# Altium PCB PCB_Kasli.PCBDOC (part 13 of 14)
Units mm, origin at the board's own origin, x right, y up, seen from the top; angles counter-clockwise.
Board outline 162.29 x 100 mm, 6 copper layers (TopLayer, MidLayer1, MidLayer2, SignalLayer1, Internal Plane 1, BottomLayer), stack 1.528 mm thick; 646 components, 567 nets, 2756 pads, 1560 vias.
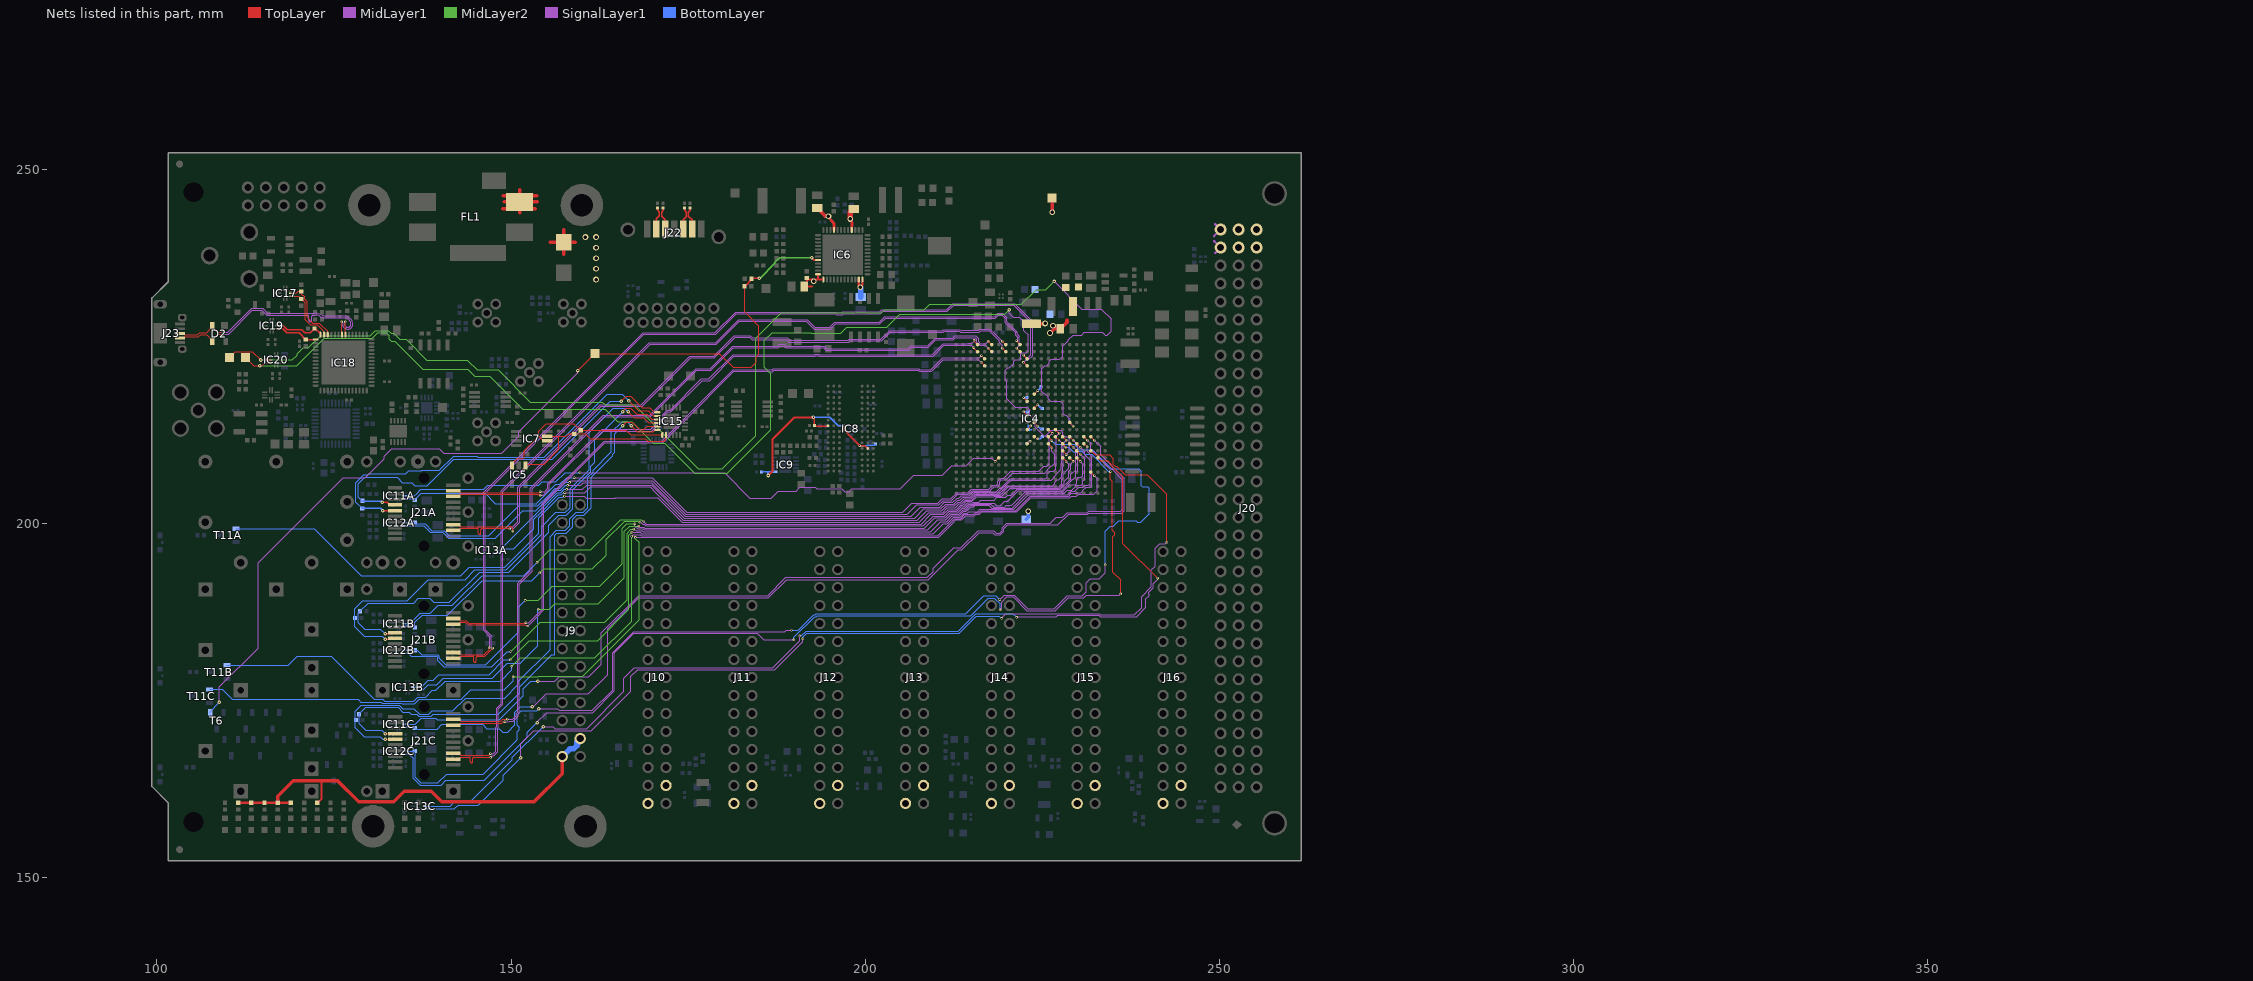
[diagram p17: the nets of this part, all layers, seen from the top]

## Via types
v1: diameter 0.5, hole 0.2, TopLayer to BottomLayer, tented both sides, 724 vias
v2: diameter 0.35, hole 0.15, TopLayer to BottomLayer, tented both sides, 628 vias
v3: diameter 0.8, hole 0.5, TopLayer to BottomLayer, tented both sides, 122 vias
v4: diameter 0.8, hole 0.5, TopLayer to BottomLayer, 66 vias
v5: diameter 0.5, hole 0.2, TopLayer to BottomLayer, 20 vias

## Nets (pads, with @x,y where several pads share a name; then routed paths per layer and width w, separated by ;. In a path a pad name is that pad's centre, name@x,y a point inside that pad or via, vN(x,y) a via of type N, cw(c..) or ccw(c..) an arc to the next point about the centre after c; other vN are vias at no path point) (continued)
P12V0: C130.2 C131.2 C132.2 C133.2 D1.1 FL1.2 IC6.4 IC6.9 IC6.24 IC6.25 IC6.35 IC6.36 J9.28 J9.29 J10.28 J10.29 J11.28 J11.29 J12.28 J12.29 J13.28 J13.29 J14.28 J14.29 J15.28 J15.29 J16.28 J16.29 J20.a1 J20.a2 J20.b1 J20.b2 J20.c1 J20.c2 R73.2 R74.2 R86.2 R88.2 R89.2 R90.2 R91.2 TP6.1 | length 111.1
  TopLayer w0.254: C130.2@191.4,233.5 192.5,233.5 ; 191.75,234.25 191.77,234.27 R73.2@191.77,234.734 192.006,234.498 193.35,234.498 ; IC6.24@193.35,235.248 193.35,234.498 ; IC6.25@194.1,234.498 193.35,234.498
  TopLayer w0.3: R89.2@111.464,160.617 R91.2@113.326,160.617 R90.2@115.189,160.617 R74.2@117.052,160.617 R88.2@118.914,160.617 ; R86.2@122.64,160.617 122.698,160.617 123.25,161.169 123.25,163.75 ; IC6.35@199.1,234.498 199.1,233.64 v3(199.314,233.426) 199.6,233.712 IC6.36@199.6,234.498
  TopLayer w0.4: v3(194.813,243.454) 194.813,243.261 195.55,242.524 195.55,242.45 195.6,242.4 IC6.9@195.6,241.498 ; IC6.4@198.1,241.498 198.1,242.062 198.125,242.087 198.125,242.521 198.1,242.546 v3@198.1,242.931 ; v3(199.314,233.426) v3@199.314,233.534
  TopLayer w0.5: R74.2@117.052,160.617 117.052,161.552 119.25,163.75 123.25,163.75 125.5,163.75 128.5,160.75 133.45,160.75 134.936,162.236 138.714,162.236 140.2,160.75 153.25,160.75 157.226,164.726 J9.29@157.226,167.132 ; 148.825,244.525 150.284,244.525 FL1.2@151.214,245.455 ; 148.925,246.3 150.369,246.3 FL1.2@151.214,245.455 ; 149.03,245.455 FL1.2@151.214,245.455 ; 151.214,243.961 FL1.2@151.214,245.455 ; 151.214,247.139 FL1.2@151.214,245.455 ; 153.4,244.525 152.144,244.525 FL1.2@151.214,245.455 ; 153.625,246.3 152.059,246.3 FL1.2@151.214,245.455 ; 153.72,245.455 FL1.2@151.214,245.455 ; 155.535,239.765 D1.1@157.448,239.765 ; 157.448,238.052 D1.1@157.448,239.765 ; 157.448,241.548 D1.1@157.448,239.765 ; 159.065,239.765 D1.1@157.448,239.765 ; C133.2@193.25,244.6 194.396,243.454 v3(194.813,243.454) ; v3(226.4,244) TP6.1@226.4,245.8
  TopLayer w0.8: v3(197.9,243.05) 197.9,243.99 C132.2@198.12,244.21
  MidLayer1 w0.3: 249.236,240.6 J20.c1@250.19,241.554 249.403,242.341 ; 249.3,239.904 J20.c2@250.19,239.014 249.403,238.227
  BottomLayer w0.8: J9.29@157.226,167.132 158.319,168.225 158.831,168.225 159.3,168.694 159.3,169.206 J9.28@159.766,169.672 ; C131.2@199.39,232.04 v3@199.39,233.35
  other v3: 192.75,234.25 162,234.5 162,236 162,237.5 162,239 160.5,240.5 162,240.5
RESETN: IC6.20 R51.1 R53.1 T6.1 TP5.1 | length 132.9
  TopLayer w0.125: v1(159.425,221.65) TP5.1@161.825,224.05 179.425,224.05 181.375,222.1 183.9,222.1 184.65,222.85 184.65,223.6 185,223.95 185,227.9 182.98,229.92 R53.1@182.98,233.525
  TopLayer w0.2: R53.1@183.045,233.578 R51.1@183.998,234.531 ; R51.1@184.036,234.696 v1(185.039,234.696) ; v1(192.481,237.592) 192.825,237.248 IC6.20@193.35,237.248
  TopLayer w0.3: R51.1@183.998,234.531 184.036,234.569 R51.1@184.036,234.696
  MidLayer2 w0.2: v1(185.039,234.696) 185.153,234.696 187.25,236.793 187.25,236.907 187.935,237.592 v1(192.481,237.592)
  SignalLayer1 w0.125: v1(108.825,174.8) 108.825,176.975 114.3,182.45 114.3,194.517 126.283,206.5 129.391,206.5 132.088,209.196 132.088,209.53 133.183,210.626 139.854,210.626 140.504,209.975 148.675,209.975 151.1,212.4 151.1,213 159.425,221.325 v1(159.425,221.65)
  BottomLayer w0.125: T6.1@107.508,173.362 107.508,173.483 v1(108.825,174.8)
RxD_2V5: IC4.T16 IC20.5 TP16.1 | length 171.3
  TopLayer w0.125: IC4.T16@227.872,210.315 228.371,209.816 v2(228.371,209.779)
  TopLayer w0.15: TP16.1@112.5,223.5 113.675,222.325 v1(114.525,222.325) 114.85,222.325 115.05,222.525 115.264,222.739 IC20.5@115.94,222.739
  MidLayer2 w0.1: v1(114.525,222.325) 119.743,222.325 123.618,226.2 130.393,226.2 131.184,226.991 132.359,226.991 132.778,226.572 132.778,226.085 133.063,225.8 133.55,225.8 137.5,221.85 143.861,221.85 144.9,220.811 146.989,220.811 151.625,216.175 163.325,216.175 165.075,214.425 167.025,214.425 170.05,211.4 171.7,211.4 175.964,207.136 180.525,207.136 186.683,213.294 186.683,221.208 185.775,222.116 185.775,225.9 186.85,226.975 192.35,226.975 192.4,226.925 196.55,226.925 197.375,227.75 203.05,227.75 204.9,229.6 219.725,229.6 v1(220.375,230.25)
  SignalLayer1 w0.1: v1(220.375,230.25) 220.375,229.75 220.925,229.2 221.75,229.2 222.425,228.525 222.425,227.3 223.025,226.7 223.025,224.475 222.74,224.19 222.217,224.19 221.975,223.948 221.975,223.325 221.811,223.161 221.18,223.161 220.961,222.941 220.961,222.636 220.375,222.05 220.105,222.05 219.75,221.695 219.75,220.35 219.997,220.103 219.997,217.66 220.217,217.44 220.226,217.44 221.226,216.44 222.885,216.44 223.275,216.05 223.275,215.375 224,214.65 224,213.973 223.997,213.97 223.997,213.66 225.217,212.44 225.527,212.44 225.747,212.66 225.747,212.672 226.277,213.202 227.587,213.202 227.925,212.864 227.925,212.575 228.225,212.275 228.575,212.275 228.85,212 228.85,210.257 v2(228.371,209.779)
SATA_RX_N: C199.1 J22.5 | length 3.3
  TopLayer w0.2: C199.1@171.476,244.583 171.476,244.258 171.245,244.026 171.245,243.469 171.784,242.931 J22.5@171.784,241.631
SATA_RX_P: C198.1 J22.6 | length 3.2
  TopLayer w0.2: J22.6@170.514,241.631 170.514,243.081 170.92,243.487 170.92,244.026 170.689,244.258 C198.1@170.689,244.583
SATA_TX_N: C201.1 J22.2 | length 3.3
  TopLayer w0.2: C201.1@175.286,244.583 175.286,244.258 175.055,244.026 175.055,243.469 175.594,242.931 J22.2@175.594,241.631
SATA_TX_P: C200.1 J22.3 | length 3.2
  TopLayer w0.2: J22.3@174.324,241.631 174.324,242.931 174.409,243.016 174.73,243.337 174.73,244.026 174.499,244.258 C200.1@174.499,244.583
SFP_0.LED: IC4.U16 T11A.1 | length 133.5
  TopLayer w0.125: IC4.U16@227.872,209.315 228.371,208.816 v2(228.371,208.763)
  SignalLayer1 w0.08: 213.8,203 214.15,203.35 215.025,203.35 215.71,204.035 215.726,204.035 ; 215.726,204.051 219.051,204.051 220.215,205.215 227.315,205.215
  SignalLayer1 w0.1: v2(157.525,203.9) 160.35,203.9 160.615,203.635 164.68,203.635 164.745,203.7 170.713,203.7 174.163,200.25 207.607,200.25 208.957,201.6 210.925,201.6 211.6,202.275 212.725,202.275 213.3,202.85 213.65,202.85 213.8,203 ; 227.315,205.215 227.763,205.662 227.763,206.288 227.997,206.522 227.997,206.97 228.231,207.205 228.231,207.325 228.747,207.841 228.747,208.387 v2(228.371,208.763)
  BottomLayer w0.125: T11A.1@111.132,199.324 122.226,199.324 128.85,192.7 142.9,192.7 144.1,193.9 149.1,193.9 153.881,198.681 153.881,200.85 156.786,203.755 157.33,203.755 157.475,203.9 v2(157.525,203.9)
SFP_0.LOS: IC4.N15 IC12A.5 | length 107
  TopLayer w0.125: IC4.N15@226.872,213.315 227.36,212.827 v2(227.432,212.827)
  SignalLayer1 w0.08: 214.675,203.95 215.245,204.52 218.512,204.52 219.03,205.038 219.112,205.038 220.458,206.385 220.472,206.385
  SignalLayer1 w0.1: 169.943,205.683 174.576,201.05 206.475,201.05 207.8,202.375 210.55,202.375 211.2,203.025 212.35,203.025 212.975,203.65 213.25,203.65 213.55,203.95 214.675,203.95 ; 220.472,206.385 225.516,206.385 225.736,206.605 225.736,207.111 226.073,207.448 226.648,207.448 226.936,207.736 226.936,208.454 226.997,208.515 226.997,212.392 v2(227.432,212.827)
  SignalLayer1 w0.125: v2(157.983,205.435) 159.86,205.435 160.2,205.775 169.851,205.775 169.943,205.683
  BottomLayer w0.125: IC12A.5@135.013,199.748 137.652,199.748 138.6,198.8 140.389,198.8 141.214,197.975 147.775,197.975 151.625,201.825 153.478,201.825 156.382,204.73 157.03,204.73 157.262,204.962 157.262,204.986 157.712,205.435 v2(157.983,205.435)
SFP_0.MOD_PRESENT: IC4.P16 IC13A.5 | length 95.1
  TopLayer w0.125: IC4.P16@227.872,212.315 v2(228.372,211.815)
  SignalLayer1 w0.08: 214.925,203.55 215.565,204.19 215.583,204.19 ; 215.583,204.208 218.883,204.208 220.065,205.39
  SignalLayer1 w0.1: 170.375,204.474 174.349,200.5 207.325,200.5 208.675,201.85 210.825,201.85 211.5,202.525 212.6,202.525 213.15,203.075 213.492,203.075 213.967,203.55 214.925,203.55 ; 220.065,205.39 226.478,205.39 226.747,205.66 226.747,205.872 227.125,206.25 227.337,206.25 227.747,206.66 227.747,207.147 227.911,207.311 227.911,208.065 228,208.154 228,208.604 227.971,208.633 227.971,211.414 v2(228.372,211.815)
  SignalLayer1 w0.125: v2(157.575,204.4) 160.4,204.4 161.222,205.222 169.626,205.222 170.375,204.474
  BottomLayer w0.125: IC13A.5@148.1,195.9 148.7,195.9 149.281,196.481 150.381,196.481 153.2,199.3 153.2,200.654 153.721,201.175 153.747,201.175 156.651,204.08 157.107,204.08 157.427,204.4 v2(157.575,204.4)
SFP_0.RATE_SELECT: IC4.R14 IC12A.4 R144A.2 | length 104.2
  TopLayer w0.125: IC4.R14@225.872,211.315 226.365,210.822 v2(226.365,210.744)
  SignalLayer1 w0.08: 214.575,204.175 215.1,204.7 217.645,204.7
  SignalLayer1 w0.09: 217.645,204.7 217.82,204.875 217.827,204.875 218.207,205.255 218.705,205.255 218.875,205.425
  SignalLayer1 w0.1: v2(158.275,205.85) 158.525,206.1 169.951,206.1 174.701,201.35 205.975,201.35 207.3,202.675 210.425,202.675 211.025,203.275 212.175,203.275 213.075,204.175 214.575,204.175 ; 218.875,205.425 218.975,205.525 218.975,205.948 219.227,206.2 219.9,206.2 220.86,207.16 223.14,207.16 223.187,207.207 223.498,207.207 223.545,207.16 225.341,207.16 225.786,207.605 225.786,207.724 226.26,208.198 226.432,208.198 226.791,208.556 226.791,209.832 226.365,210.258 v2(226.365,210.744)
  BottomLayer w0.1: 157.725,205.85 v2(158.275,205.85)
  BottomLayer w0.125: R144A.2@136.398,200.19 136.588,200 137.85,200 138.8,199.05 140.55,199.05 140.55,199.041 141.241,198.35 146.874,198.35 151.074,202.55 153.8,202.55 155.363,204.113 156.25,205 156.875,205 157.725,205.85
  BottomLayer w0.2: IC12A.4@135.013,200.148 R144A.2@136.356,200.148
SFP_0.RATE_SELECT1: IC4.P15 IC13A.4 | length 93.2
  TopLayer w0.125: IC4.P15@226.872,212.315 v2(227.372,211.815)
  SignalLayer1 w0.08: 214.825,203.75 215.42,204.345 215.439,204.345 ; 215.439,204.364 218.699,204.364 220.525,206.19
  SignalLayer1 w0.1: v2(157.833,204.86) 160.085,204.86 160.658,205.433 169.84,205.433 174.473,200.8 206.975,200.8 208.275,202.1 210.7,202.1 211.375,202.775 212.5,202.775 213.075,203.35 213.375,203.35 213.775,203.75 214.825,203.75 ; 220.525,206.19 226.277,206.19 226.997,206.91 226.997,206.991 227.686,207.68 227.686,208.538 227.756,208.607 227.756,211.431 v2(227.372,211.815)
  BottomLayer w0.125: IC13A.4@148.1,196.3 148.4,196.3 153.6,201.5 ; 153.612,201.5 156.517,204.405 157.032,204.405 157.487,204.86 v2(157.833,204.86)
SFP_0.SCL: IC15.2 J21A.5 R184.1 | length 57.9
  TopLayer w0.125: v1(166.6,217.35) 168,215.95 169.375,215.95 170.074,215.251 IC15.2@170.656,215.251
  TopLayer w0.2: v1(131.902,201.873) J21A.5@133.634,201.873
  BottomLayer w0.125: R184.1@129.014,202.184 128.966,202.184 128.102,203.048 128.102,205.809 129.193,206.9 129.8,206.9 130,207.1 135.15,207.1 135.575,207.525 137.363,207.525 137.387,207.55 139.875,207.55 141.9,209.575 145.125,209.575 145.3,209.4 154.7,209.4 163.575,218.275 165.675,218.275 v1(166.6,217.35)
  BottomLayer w0.2: R184.1@129,202.17 129.014,202.184 131.591,202.184 v1(131.902,201.873)
SFP_0.SDA: IC15.1 J21A.4 R183.1 | length 57.1
  TopLayer w0.125: v1(165.55,217.3) 166.275,218.025 166.875,218.025 168.525,216.375 169.6,216.375 170.224,215.751 IC15.1@170.656,215.751
  TopLayer w0.2: v1(131.825,203.05) 132.5,203.05 132.877,202.673 J21A.4@133.634,202.673 J21A.4@133.781,202.525
  BottomLayer w0.125: R183.1@129.08,203.2 129,203.2 128.425,203.775 128.425,205.65 129.325,206.55 133.9,206.55 134.625,205.825 135.975,205.825 136.425,205.375 138.15,205.375 141.875,209.1 155.825,209.1 164.025,217.3 v1(165.55,217.3)
  BottomLayer w0.2: R183.1@129.025,203.255 129.08,203.2 131.675,203.2 v1(131.825,203.05)
SFP_0.TX_DISABLE: IC4.N14 IC11A.5 R145A.2 | length 103.7
  TopLayer w0.125: IC4.N14@225.872,213.315 226.411,212.776 v2(226.411,212.76) v2@226.4,212.771
  SignalLayer1 w0.08: 214.512,204.425 214.912,204.825
  SignalLayer1 w0.09: 217.95,205.425 217.965,205.44 218.514,205.44 218.732,205.658 218.739,205.658
  SignalLayer1 w0.1: 162.083,206.525 169.95,206.525 174.825,201.65 194.872,201.65 194.917,201.606 195.227,201.606 195.272,201.65 205.325,201.65 206.589,202.914 207.146,202.914 207.159,202.901 210.251,202.901 210.264,202.914 210.875,203.525 212.075,203.525 212.975,204.425 214.512,204.425 ; 214.912,204.825 214.987,204.9 217.425,204.9 217.95,205.425 ; 218.739,205.658 218.739,206.014 219.157,206.432 219.561,206.432 220.551,207.422 224.478,207.422 225.19,208.135 225.66,208.135 226.025,208.5 226.025,209.537 225.99,209.572 225.99,209.883 226.025,209.918 226.025,210.553 225.99,210.588 225.99,210.899 226.025,210.934 226.025,211.569 225.99,211.604 225.99,211.915 226.025,211.95 226.025,212.374 v2(226.411,212.76)
  SignalLayer1 w0.125: v2(158.925,206.525) 162.083,206.525
  BottomLayer w0.125: R145A.2@136.398,203.378 137.32,204.3 146.325,204.3 147.763,202.863 153.613,202.863 153.7,202.95 156.325,205.575 156.9,205.575 157.85,206.525 v2(158.925,206.525)
  BottomLayer w0.2: IC11A.5@135.013,203.558 R145A.2@136.218,203.558
SFP_0.TX_FAULT: IC4.U7 IC11A.4 | length 90
  TopLayer w0.125: v2(218.372,208.815) IC4.U7@218.872,209.315
  SignalLayer1 w0.1: 162.917,207.225 180.15,207.225 183.725,203.65 186.769,203.65 187.719,204.6 190.239,204.6 190.789,205.15 192.961,205.15 193.155,204.956 196.694,204.956 197.1,204.55 197.725,204.55 198.131,204.956 204.956,204.956 206.883,206.883 210.91,206.883 212.217,208.19 214.296,208.19 214.984,208.879 214.984,208.975 215.305,209.296 217.891,209.296 v2(218.372,208.815)
  SignalLayer1 w0.125: v2(159.725,207.25) 159.75,207.225 162.917,207.225
  BottomLayer w0.125: IC11A.4@135.013,203.958 136.358,203.958 136.675,204.275 137.281,204.881 146.167,204.881 146.734,205.448 153.927,205.448 154.429,205.95 156.325,205.95 157.625,207.25 v2(159.725,207.25)
SFP_1.LED: IC4.R19 T11B.1 | length 151.8
  TopLayer w0.095: IC4.R19@230.872,211.315 231.327,210.86 v2(231.336,210.86)
  MidLayer2 w0.1: v2(150.125,179.875) 151.325,181.075 161.825,181.075 167.025,186.275 v2(167.025,198.25)
  SignalLayer1 w0.08: 215.339,201.325 215.59,201.576 216.051,201.576 216.35,201.875 221.275,201.875 222.575,203.175
  SignalLayer1 w0.095: 222.575,203.175 223.3,203.9 228.723,203.9 229.123,204.3 229.85,204.3 229.952,204.402 230.532,204.402 230.751,204.621 230.751,204.72 231.218,205.187 231.812,205.187 232,205.375 232,209.575 231.336,210.239 v2(231.336,210.86)
  SignalLayer1 w0.1: v2(167.025,198.25) 167.25,198.475 168.23,198.475 168.366,198.34 182.747,198.34 182.762,198.325 210.225,198.325 212.633,200.733 213.483,200.733 214.075,201.325 215.325,201.325
  BottomLayer w0.125: T11B.1@109.862,180.02 118.52,180.02 119.775,181.275 124.625,181.275 130.7,175.2 131.9,175.2 132.151,174.949 136.249,174.949 136.849,175.549 137.953,175.549 138.904,176.5 139.4,176.5 140.7,177.8 148.525,177.8 150.125,179.4 v2(150.125,179.875)
SFP_1.LOS: IC4.T18 IC12B.5 | length 118.9
  TopLayer w0.125: IC4.T18@229.872,210.315 230.337,209.85 v2(230.375,209.85)
  MidLayer2 w0.1: v2(149.95,181.975) 154.1,186.125 163.25,186.125 166.375,189.25 166.375,198.7 166.935,199.26 v2(167.308,199.26)
  SignalLayer1 w0.08: 214.925,202.4 215.316,202.4 215.528,202.612 217.463,202.612 217.865,202.21 220.735,202.21 222.85,204.325 228.125,204.325
  SignalLayer1 w0.1: v2(167.308,199.26) 167.4,199.26 167.659,199 168.55,199 168.681,198.869 209.244,198.869 210.675,200.3 211.5,200.3 212.325,201.125 213.29,201.125 213.94,201.775 214.3,201.775 214.925,202.4 ; 228.125,204.325 228.551,204.751 229.148,204.751 229.149,204.75 229.2,204.75 229.866,205.416 230.533,205.416 230.753,205.635 230.753,206.053 230.997,206.297 230.997,209.228 v2(230.375,209.85)
  BottomLayer w0.1: IC12B.5@135.012,181.718 135.462,181.718 135.88,181.3 139.5,181.3 139.65,181.15 139.65,180.7 140.525,179.825 147.3,179.825 149.45,181.975 v2(149.95,181.975)
SFP_1.MOD_PRESENT: IC4.P17 IC13B.5 | length 119.6
  TopLayer w0.125: IC4.P17@228.872,212.315 v2(229.372,211.815)
  MidLayer2 w0.1: v2(153.825,187.95) 153.85,187.925 155.375,187.925 156.175,188.725 162.325,188.725 166,192.4 166,198.925 166.75,199.675 167.295,199.675 167.32,199.65 168.025,199.65 v2(168.05,199.675)
  SignalLayer1 w0.08: 214.625,202.775 214.754,202.775 214.755,202.776 215.25,202.776 215.399,202.924 218.237,202.924 218.616,202.545 219.105,202.545 219.735,203.175 220.15,203.175 221.65,204.675
  SignalLayer1 w0.1: v2(168.05,199.675) 168.175,199.55 168.725,199.55 168.877,199.398 208.35,199.398 209.802,200.85 211.3,200.85 212,201.55 213.075,201.55 213.725,202.2 214.05,202.2 214.625,202.775 ; 221.65,204.675 221.651,204.676 227.744,204.676 229.331,206.263 229.388,206.263 229.75,206.625 229.75,207.278 229.997,207.525 229.997,211.19 v2(229.372,211.815)
  BottomLayer w0.125: IC13B.5@136.3,176.5 137.5,176.5 138.3,177.3 139.5,177.3 140.4,178.2 147.35,178.2 149.45,180.3 151.3,180.3 153.797,182.797 v2@153.797,187.922
SFP_1.RATE_SELECT: IC4.U18 IC12B.4 R144B.2 | length 117.2
  TopLayer w0.125: IC4.U18@229.872,209.315 v2(230.372,208.815)
  MidLayer2 w0.1: v2(152,189.2) 153.825,189.2 155.825,191.2 162.525,191.2 165.725,194.4 165.725,199.4 166.35,200.025 v2(167.475,200.025)
  SignalLayer1 w0.08: 214.725,202.525 214.82,202.62 215.315,202.62 215.463,202.768 217.757,202.768 218.15,202.375 219.725,202.375 219.95,202.6 220.675,202.6 222.575,204.5
  SignalLayer1 w0.1: v2(167.475,200.025) 167.475,199.675 167.875,199.275 168.675,199.275 168.817,199.133 208.808,199.133 210.25,200.575 211.4,200.575 212.15,201.325 213.2,201.325 213.85,201.975 214.175,201.975 214.725,202.525 ; 222.575,204.5 227.891,204.5 228.904,205.513 229.642,205.513 229.861,205.732 229.861,206.311 230.1,206.55 230.525,206.55 230.753,206.778 230.753,208.434 v2(230.372,208.815)
  BottomLayer w0.1: R144B.2@136.398,182.156 136.758,182.156 137.389,181.525 139.65,181.525 139.85,181.325 139.85,181.025 140.75,180.125 146.4,180.125 151,184.725 151,188.2 v2(152,189.2)
  BottomLayer w0.2: IC12B.4@135.012,182.118 R144B.2@136.36,182.118
SFP_1.RATE_SELECT1: IC4.R18 IC13B.4 | length 120.1
  TopLayer w0.125: IC4.R18@229.872,211.315 v2(230.372,210.815)
  MidLayer2 w0.1: v2(149.9,180.8) 152.6,183.5 162.225,183.5 166.65,187.925 166.65,198.405 167.051,198.806 v2(167.051,198.81)
  SignalLayer1 w0.08: 214.425,201.525 214.632,201.732 215.892,201.732 216.21,202.05 220.972,202.05 223.047,204.125
  SignalLayer1 w0.1: v2(167.051,198.81) 168.265,198.81 168.471,198.604 209.65,198.604 211.046,200 211.575,200 212.5,200.925 213.4,200.925 214,201.525 214.425,201.525 ; 223.047,204.125 228.625,204.125 229.074,204.574 229.574,204.574 230.162,205.162 230.712,205.162 230.977,205.427 231.533,205.427 231.76,205.654 231.76,208.975 231,209.735 231,210.187 v2(230.372,210.815)
  BottomLayer w0.125: IC13B.4@136.3,176.9 137.3,176.9 138.3,177.9 139,177.9 139.8,178.7 146.9,178.7 149,180.8 v2(149.9,180.8)
SFP_1.SCL: IC15.4 J21B.5 R186.1 | length 69.7
  TopLayer w0.125: v1(166.55,215.825) 167.387,214.987 168.737,214.987 169.474,214.251 IC15.4@170.656,214.251
  TopLayer w0.2: v1(132.25,183.725) 133.522,183.725 J21B.5@133.629,183.833
  BottomLayer w0.125: v1(132.25,183.725) 131.825,184.15 129.3,184.15 127.955,185.495 R186.1@127.955,186.7 127.955,188.03 129.075,189.15 135.347,189.15 138.297,192.1 143.5,192.1 144.9,193.5 149.3,193.5 154.3,198.5 154.3,199.6 156.325,201.625 157.675,201.625 158.329,202.279 158.329,204.959 161.01,207.64 161.01,212.91 164.4,216.3 165.979,216.3 166.55,215.729 v1(166.55,215.825)
SFP_1.SDA: IC15.3 J21B.4 R185.1 | length 67.1
  TopLayer w0.125: v1(165.75,215.825) 166.225,216.3 166.925,216.3 167.775,215.45 169.175,215.45 169.874,214.751 IC15.3@170.656,214.751
  TopLayer w0.2: v1(132.231,184.453) 133.45,184.453 J21B.4@133.629,184.633
  BottomLayer w0.125: v1(132.231,184.453) 131.548,185.137 129.333,185.137 128.45,186.02 128.45,187.44 R185.1@128.655,187.645 129.81,188.8 136.245,188.8 136.928,189.483 138.164,189.483 138.168,189.479 138.5,189.479 139.079,188.9 141.3,188.9 145.6,193.2 149.7,193.2 155.3,198.8 155.3,199.8 156.715,201.215 157.795,201.215 158.704,202.123 158.704,204.804 161.275,207.375 161.275,208.125 161.825,208.675 161.825,211.9 v1(165.75,215.825)
SFP_1.TX_DISABLE: IC4.R17 IC11B.5 R145B.2 | length 110.6
  TopLayer w0.125: IC4.R17@228.872,211.315 v2(229.372,210.815)
  MidLayer2 w0.1: v2(154.025,193.075) 154.6,193.65 161.5,193.65 163.425,195.575 163.425,197.8 166.025,200.4 168.025,200.4 v2(168.2,200.225)
  SignalLayer1 w0.08: 215.175,202.975 215.285,203.085 216.051,203.085 216.291,203.325 218.216,203.325 218.616,203.725 219.825,203.725 220.15,204.05 220.625,204.05 221.424,204.85
  SignalLayer1 w0.1: v2(168.2,200.225) 168.32,200.225 168.61,199.935 168.79,199.935 169.025,199.7 208.18,199.7 209.58,201.1 211.2,201.1 211.875,201.775 212.95,201.775 213.6,202.425 213.925,202.425 214.475,202.975 215.175,202.975 ; 221.424,204.85 221.427,204.852 227.575,204.852 228.997,206.275 228.997,206.97 229.217,207.19 229.34,207.19 229.75,207.6 229.75,210.437 v2(229.372,210.815)
  BottomLayer w0.125: R145B.2@136.398,185.382 136.398,186.073 137.45,187.125 141.025,187.125 145.9,192 152.95,192 v2(154.025,193.075)
  BottomLayer w0.2: IC11B.5@135.012,185.528 R145B.2@136.252,185.528
SFP_1.TX_FAULT: IC4.U17 IC11B.4 | length 106.1
  TopLayer w0.125: IC4.U17@228.872,209.315 v2(229.372,208.815)
  MidLayer2 w0.1: v2(153.675,194.55) 155.45,196.325 161.225,196.325 165.5,200.6 168.355,200.6 168.58,200.375 v2(168.7,200.375)
  SignalLayer1 w0.08: 215.075,203.175 215.725,203.825 218.2,203.825 218.27,203.895 219.32,203.895 220.465,205.04 227.415,205.04
  SignalLayer1 w0.1: v2(168.7,200.375) 169.1,199.975 207.925,199.975 209.275,201.325 211,201.325 211.7,202.025 212.85,202.025 213.475,202.65 213.775,202.65 214.3,203.175 215.075,203.175 ; 227.415,205.04 228.125,205.75 228.125,206 228.747,206.622 228.747,207.425 228.997,207.675 228.997,208.44 v2(229.372,208.815)
  BottomLayer w0.125: IC11B.4@135.012,185.928 135.728,185.928 137.195,187.395 138.595,187.395 139.7,188.5 141.7,188.5 142.438,189.238 145.9,192.7 151.825,192.7 v2(153.675,194.55)
SFP_2.LED: IC4.W20 T11C.1 | length 149.6
  TopLayer w0.095: IC4.W20@231.872,207.315 v2(232.372,206.815)
  MidLayer2 w0.1: v2(150.3,178.4) 153.85,178.4 153.925,178.475 160.125,178.475 168.1,186.45 168.1,197.375 167.55,197.925 v2(167.55,198.1)
  SignalLayer1 w0.08: 212.525,200.214 212.61,200.299 212.61,200.351 212.824,200.565 213.64,200.565 214.2,201.125 215.4,201.125 215.6,201.325 216.075,201.325 216.469,201.719 221.394,201.719 222.925,203.25
  SignalLayer1 w0.1: v2(167.55,198.1) 210.411,198.1 212.525,200.214 ; 222.925,203.25 223.375,203.7 228.9,203.7 229.1,203.9 229.821,203.9 230.131,204.21 232.297,204.21 232.75,204.663 232.75,206.437 v2(232.372,206.815)
  BottomLayer w0.125: T11C.1@107.425,176.625 109.25,176.625 110.65,175.225 128.4,175.225 128.8,174.825 131.7,174.825 131.825,174.7 134.525,174.7 134.65,174.575 136.375,174.575 137.041,175.241 142.949,175.241 143.103,175.395 143.103,175.403 144.3,176.6 149.05,176.6 150.3,177.85 v2(150.3,178.4)
SFP_2.LOS: IC4.R16 IC12C.5 | length 151.1
  TopLayer w0.1: v2(234.636,207.385) 234.636,206.749 234.576,206.688 234.576,206.316 234.875,206.017 234.875,199.105 235.225,198.755 235.225,198.445 234.975,198.195 234.975,193.2 236.075,192.1 v2(236.075,190.1)
  TopLayer w0.125: IC4.R16@227.872,211.315 228.342,210.845 v2(228.346,210.845)
  SignalLayer1 w0.1: v1(153.7,171.9) 153.7,172.025 155.025,173.35 161.529,173.35 164.6,176.421 164.6,181.775 167.35,184.525 184.775,184.525 185.675,183.625 v2(189.95,183.625) ; v2(219.05,187.85) 219.263,188.063 219.263,188.924 220.015,189.675 220.921,189.675 222.846,187.75 226.825,187.75 228.65,189.575 230.897,189.575 231.23,189.908 235.883,189.908 v2(236.075,190.1)
  BottomLayer w0.1: v1(153.7,171.9) v1@153.7,172 ; v2(189.95,183.625) 189.95,184 192.85,186.9 193.071,186.9 193.221,187.05 214.92,187.05 217.388,189.518 218.258,189.518 219.05,188.726 v2(219.05,187.85) ; v2(228.346,210.845) 228.755,210.845 229.41,210.19 229.527,210.19 229.592,210.125 230.12,210.125 230.22,210.225 230.6,210.225 231.025,209.8 231.975,209.8 234.39,207.385 v2(234.636,207.385)
  BottomLayer w0.125: IC12C.5@135.012,167.494 135.581,167.494 136.163,166.912 136.163,164.096 137.054,163.204 137.146,163.113 138.45,163.113 140.113,163.113 140.8,163.8 146.225,163.8 152.299,169.874 152.299,170.599 v1@153.7,172
SFP_2.MOD_PRESENT: IC4.T20 IC13C.5 | length 148.1
  TopLayer w0.1: IC4.T20@231.872,210.315 232.462,209.725 234.548,209.725 235.049,209.224 235.049,208.375 235.299,208.125 235.525,208.125 236.725,206.925 239.85,206.925 242.6,204.175 v2(242.6,197.4)
  SignalLayer1 w0.1: v1(151.35,166.95) 151.35,168.925 153.2,170.775 161.3,170.775 166.917,176.392 166.917,178.45 167.875,179.408 187.258,179.408 191.2,183.35 v2(191.2,183.775) ; v2(219.286,186.659) 219.286,186.736 219.859,187.309 233.041,187.309 233.175,187.175 238.025,187.175 239.025,188.175 239.025,189.725 240.425,191.125 240.425,193.5 240.962,194.037 240.962,196.544 241.606,197.188 242.388,197.188 v2(242.6,197.4)
  BottomLayer w0.1: v2(191.2,183.775) 191.2,183.975 191.775,184.55 213.264,184.55 215.696,186.982 218.963,186.982 v2(219.286,186.659)
  BottomLayer w0.125: IC13C.5@137.986,159.74 142,159.74 142.56,160.3 145.4,160.3 148.9,163.8 148.9,164.5 v1(151.35,166.95)
SFP_2.RATE_SELECT: IC4.P14 IC12C.4 R144C.2 | length 159
  TopLayer w0.125: IC4.P14@225.872,212.315 226.365,211.822 v2(226.365,211.76)
  SignalLayer1 w0.1: v1(153.9,173.9) 156.523,173.9 156.77,173.652 161.373,173.652 161.425,173.6 164.35,176.525 164.35,181.775 167.35,184.775 188.65,184.775 188.85,184.975 v2(189.6,184.975) ; v2(219.011,189.309) 219.018,189.309 219.617,189.908 221.042,189.908 222.95,188 226.721,188 228.546,189.825 230.625,189.825 231.225,190.425 231.225,191.675 231.8,192.25 233.05,192.25 233.9,193.1 v2(233.9,194.2)
  BottomLayer w0.1: v2(189.6,184.975) 190.571,184.975 192.746,187.15 192.968,187.15 193.118,187.3 214.225,187.3 216.775,189.85 218.441,189.85 218.982,189.309 v2(219.011,189.309) ; v2(226.365,211.76) 226.9,211.225 229.492,211.225 229.997,210.72 229.997,210.66 230.217,210.44 230.527,210.44 230.562,210.475 232.1,210.475 234.775,207.8 238.614,207.8 239.019,207.394 239.019,205.381 239.175,205.225 239.925,205.225 240.1,205.05 240.1,201.386 240.075,201.361 240.075,201.352 238.949,200.225 238.451,200.225 238.251,200.425 235.8,200.425 235.025,199.65 234.6,199.65 233.9,198.95 v2(233.9,194.2)
  BottomLayer w0.125: IC12C.4@135.012,167.894 136.36,167.894 R144C.2@136.398,167.932 136.398,167.579 136.475,167.502 136.475,164.225 137.275,163.425 139.675,163.425 140.913,164.663 146.062,164.663 150.9,169.5 150.9,170.646 151.163,170.908 151.163,171.292 150.887,171.567 150.887,173.042 151.446,173.6 153.6,173.6 v1(153.9,173.9)
SFP_2.RATE_SELECT1: IC4.U21 IC13C.4 | length 141.6
  TopLayer w0.1: IC4.U21@232.872,209.315 233.262,208.925 234.225,208.925 234.725,208.425 234.725,208.225 236.4,206.55 236.4,197.221 v2(241.287,192.334)
  SignalLayer1 w0.1: v1(154.525,171.35) 155.925,171.35 156.2,171.075 160.675,171.075 165.946,176.346 165.946,178.221 167.4,179.675 186.925,179.675 190.769,183.519 v2(190.769,184.169) ; v2(221.388,186.786) 221.502,186.9 226.975,186.9 227.184,187.109 232.959,187.109 233.167,186.9 238.325,186.9 239.65,188.225 239.65,189.4 240.097,189.847 240.097,189.997 240.05,190.045 240.05,190.355 240.65,190.955 240.65,191.575 241.287,192.212 v2(241.287,192.334)
  BottomLayer w0.1: v2(190.769,184.169) 191.006,184.169 191.661,184.825 213.15,184.825 215.625,187.3 220.874,187.3 v2(221.388,186.786)
  BottomLayer w0.125: IC13C.4@137.986,160.14 141.4,160.14 142.074,160.814 144.3,160.814 150.2,166.714 150.2,167.03 154.522,171.353 v1(154.525,171.35)
SFP_2.SCL: IC15.6 J21C.5 R188.1 | length 84.5
  TopLayer w0.125: v1(132.225,169.588) J21C.5@133.644,169.588 ; v1(166.95,213.85) 167.825,212.975 170.099,212.975 170.375,213.251 IC15.6@170.656,213.251
  BottomLayer w0.125: v1(132.225,169.588) 131.872,169.588 131.534,169.926 129.274,169.926 127.975,171.225 127.975,173.55 128.825,174.4 134.185,174.4 134.68,173.905 136.295,173.905 137.1,173.1 138.4,173.1 138.9,173.6 141.8,173.6 143.6,175.4 149.1,175.4 151.025,177.325 151.025,177.775 155.5,182.25 155.5,198.185 156.405,199.09 157.666,199.09 158.289,199.712 158.289,200.698 159.22,201.63 160.206,201.63 160.829,202.252 160.829,203.132 160.825,203.136 160.825,206.55 161.575,207.3 161.575,207.557 164.175,210.157 164.175,212.907 165.693,214.425 166.375,214.425 v1(166.95,213.85)
SFP_2.SDA: IC15.5 J21C.4 R187.1 | length 83.9
  TopLayer w0.125: v1(132.225,170.388) J21C.4@133.644,170.388 J21C.4@134.394,170.388 ; v1(165.775,213.825) 166.262,214.312 167.142,214.312 168.154,213.3 168.748,213.3 169.199,213.751 IC15.5@170.656,213.751
  BottomLayer w0.125: v1(132.225,170.388) 131.75,170.862 129.488,170.862 128.555,171.795 R187.1@128.555,173.125 128.555,173.18 129.462,174.088 134.038,174.088 134.725,173.4 135.6,173.4 135.908,173.092 136.708,173.092 137,172.8 138.708,172.8 139,173.092 148.217,173.092 151.25,176.125 151.25,177 155.75,181.5 156.164,181.5 156.164,198.389 156.45,198.675 157.785,198.675 158.704,199.594 158.704,200.654 159.265,201.215 160.29,201.215 161.325,202.25 161.325,206.6 164.363,209.637 164.363,209.798 164.675,210.111 164.675,212.7 165.8,213.825 v1(165.775,213.825)
SFP_2.TX_DISABLE: IC4.P20 IC11C.5 R145C.2 | length 132.9
  TopLayer w0.125: IC4.P20@231.872,212.315 v2(232.372,211.815)
  SignalLayer1 w0.1: v1(153,174.2) 153.15,174.2 154.95,176 160.925,176 163.625,178.7 163.625,185.2 168,189.575 186.35,189.575 188.9,192.125 208.925,192.125 213.11,196.31 213.61,196.31 216.075,198.775 218,198.775 218.325,198.45 219.075,198.45 219.6,198.975 219.6,199.275 220.169,199.844 227.219,199.844 228.75,201.375 231.4,201.375 231.55,201.525 236.25,201.525 236.575,201.85 236.575,206.45 233.25,209.775 233.25,210.937 v2(232.372,211.815)
  BottomLayer w0.125: IC11C.5@135.012,171.304 R145C.2@136.252,171.304 ; R145C.2@136.398,171.158 136.556,171 139.559,171 140.234,171.675 146.011,171.675 146.588,171.098 148.349,171.098 148.849,170.599 149.499,170.599 150.5,171.6 150.5,173.4 151.3,174.2 v1(153,174.2)
SFP_2.TX_FAULT: IC4.P19 IC11C.4 | length 130.8
  TopLayer w0.095: IC4.P19@230.872,212.315 v2(231.372,211.815)
  SignalLayer1 w0.1: v1(153.8,177.8) 156.178,177.8 156.77,178.392 160.967,178.392 162.75,180.175 162.75,184.625 168,189.875 186.226,189.875 188.776,192.425 208.8,192.425 209.625,193.25 209.625,193.725 212.5,196.6 213.525,196.6 215.95,199.025 218.126,199.025 218.501,198.65 218.999,198.65 219.35,199.001 219.35,199.425 220.019,200.094 226.144,200.094 226.95,200.9 227.871,200.9 228.546,201.575 231.325,201.575 231.55,201.8 236.087,201.8 236.316,202.029 236.316,202.535 236.325,202.545 236.325,203.916 ; v2(231.372,211.815) 231.825,211.362 231.825,210.5 234.565,207.76 234.792,207.76 236.325,206.227 236.325,203.916 ; 236.316,203.925 236.325,203.916
  BottomLayer w0.125: IC11C.4@135.012,171.704 136.454,171.704 137.3,172.55 139.378,172.55 139.603,172.325 148.325,172.325 151.75,175.75 151.75,176.75 152.8,177.8 v1(153.8,177.8)
SFP_RX_TX_0.RD_N: IC4.A8 J21A.12 | length 95.7
  TopLayer w0.095: J21A.12@141.834,199.073 142.598,199.073 142.888,199.363 144.875,199.363 145.05,199.363 145.224,199.363 cw(c145.224,199.188) 145.399,199.188 145.399,198.689 ccw(c145.573,198.689) 145.573,198.514 ccw(c145.573,198.689) 145.748,198.689 145.748,199.188 cw(c145.922,199.188) 145.922,199.363 146.097,199.363 146.2,199.363 149.49,199.363 149.672,199.363 149.712,199.363 v2(149.8,199.275) ; v2(219.372,225.815) IC4.A8@219.872,225.315
  SignalLayer1 w0.115: v2(149.8,199.275) 149.975,199.45 150.1,199.45 150.965,200.315 150.965,205.183 151.473,205.691 162.607,216.825 168.393,216.825 175.243,223.675 178.625,223.675 181.543,226.593 183.79,226.593 184.132,226.25 188.978,226.25 189.322,225.906 197.615,225.906 197.621,225.912 197.769,226.06 202.228,226.06 203.323,227.155 203.46,227.292 210.915,227.292 211.037,227.415 213.438,227.415 213.535,227.318 216.023,227.318 216.211,227.505 217.625,227.505 218.321,226.809 219.118,226.012 219.175,226.012 v2(219.372,225.815)
SFP_RX_TX_0.RD_P: IC4.B8 J21A.13 | length 95.7
  TopLayer w0.095: J21A.13@141.834,199.873 142.602,199.873 142.892,199.583 144.966,199.583 145.147,199.583 145.162,199.597 145.22,199.597 145.224,199.601 145.224,199.597 145.239,199.597 145.242,199.6 145.245,199.597 145.288,199.597 145.292,199.592 145.318,199.592 145.324,199.586 145.347,199.586 145.35,199.583 145.796,199.583 145.799,199.586 145.822,199.586 145.828,199.592 145.854,199.592 145.858,199.597 145.901,199.597 145.904,199.6 145.907,199.597 145.922,199.597 145.922,199.601 145.926,199.597 145.984,199.597 145.999,199.583 146.109,199.583 149.581,199.583 149.646,199.648 149.954,199.648 150.173,199.429 150.257,199.345 v2(150.257,198.985) ; v2(219.372,224.815) IC4.B8@219.872,224.315
  SignalLayer1 w0.115: v2@150.231,198.985 150.231,199.249 151.2,200.218 151.2,205.085 151.64,205.525 162.705,216.59 168.49,216.59 175.34,223.44 178.723,223.44 181.64,226.358 183.693,226.358 184.035,226.015 188.881,226.015 189.063,225.832 189.225,225.671 197.712,225.671 197.866,225.825 202.325,225.825 203.558,227.057 211.012,227.057 211.134,227.18 213.341,227.18 213.438,227.083 216.121,227.083 216.308,227.27 217.527,227.27 218.224,226.574 218.94,225.857 218.94,225.635 219.372,225.203 v2(219.372,224.815)
SFP_RX_TX_0.TD_N: IC4.A4 J21A.19 | length 84.1
  TopLayer w0.095: J21A.19@141.834,204.673 142.577,204.673 142.867,204.383 153.591,204.383 153.875,204.383 153.915,204.423 153.993,204.423 v2@154.108,204.537 ; v2(215.375,225.9) 215.375,225.812 IC4.A4@215.872,225.315
  SignalLayer1 w0.115: v2(154.108,204.56) 154.738,204.56 155.175,204.997 155.175,205.657 162.853,213.335 169.738,213.335 171.39,214.987 171.39,215.397 172.043,216.05 172.453,216.05 176.878,220.475 177.943,220.475 181.23,223.762 181.368,223.9 187.991,223.9 187.998,223.892 188.502,223.892 188.509,223.9 192.871,223.9 192.913,223.943 193.487,223.943 193.529,223.9 209.482,223.9 211.015,225.432 214.53,225.432 214.568,225.47 215.027,225.47 215.375,225.818 v2(215.375,225.9)
SFP_RX_TX_0.TD_P: IC4.B4 J21A.18 | length 84.1
  TopLayer w0.095: J21A.18@141.834,203.873 142.573,203.873 142.863,204.163 153.5,204.163 153.784,204.163 153.804,204.143 153.932,204.143 154.025,204.05 v2(154.1,204.05) ; v2(215.361,224.889) 215.361,224.826 IC4.B4@215.872,224.315
  SignalLayer1 w0.115: v2(154.1,204.05) 154.117,204.068 154.577,204.068 154.6,204.09 155.41,204.9 155.41,205.56 162.95,213.1 169.835,213.1 171.625,214.89 171.625,215.3 172.14,215.815 172.55,215.815 176.975,220.24 178.04,220.24 181.465,223.665 187.894,223.665 187.901,223.657 188.599,223.657 188.606,223.665 192.968,223.665 193.011,223.708 193.39,223.708 193.432,223.665 209.58,223.665 211.112,225.197 214.628,225.197 214.665,225.235 215.015,225.235 v2(215.361,224.889)
SFP_RX_TX_1.RD_N: IC4.C11 J21B.12 | length 125.8
  TopLayer w0.095: J21B.12@141.829,181.033 142.583,181.033 142.873,181.323 144.225,181.323 144.4,181.323 144.574,181.323 cw(c144.574,181.148) 144.749,181.148 144.749,180.623 ccw(c144.923,180.623) 144.923,180.448 ccw(c144.923,180.623) 145.098,180.623 145.098,181.148 cw(c145.272,181.148) 145.272,181.323 145.447,181.323 145.5,181.323 146.308,181.323 147.14,182.155 147.4,182.415 v2(147.4,182.45) ; v2(222.372,223.815) IC4.C11@222.872,223.315
  SignalLayer1 w0.115: v2@147.351,182.465 147.282,182.534 147.282,182.633 147.235,182.681 147.235,184.165 146.35,185.05 146.35,204.35 168.764,226.764 178.889,226.764 181.79,229.665 195.856,229.665 195.963,229.557 196.825,229.557 196.95,229.682 202.158,229.682 202.396,229.921 202.465,229.99 211.607,229.99 212.492,230.875 220.993,230.875 223.415,228.453 223.415,223.865 222.95,223.4 222.75,223.4 222.372,223.778 v2(222.372,223.815)
SFP_RX_TX_1.RD_P: IC4.D11 J21B.13 | length 125.1
  TopLayer w0.095: J21B.13@141.829,181.833 142.567,181.833 142.857,181.543 144.316,181.543 145.409,181.543 146.216,181.543 146.449,181.775 146.9,182.226 v2(146.9,182.475) ; v2(222.347,222.79) 222.397,222.79 IC4.D11@222.872,222.315
  SignalLayer1 w0.115: v2(146.9,182.475) 147,182.575 147,184.068 146.115,184.953 146.115,204.447 148.468,206.8 168.667,226.999 178.792,226.999 181.693,229.9 195.953,229.9 196.06,229.792 196.728,229.792 196.853,229.918 202.06,229.918 202.368,230.225 202.391,230.249 202.539,230.249 202.562,230.225 211.51,230.225 212.395,231.11 221.09,231.11 223.65,228.55 223.65,223.768 223.047,223.165 222.722,223.165 v2(222.347,222.79)
SFP_RX_TX_1.TD_N: IC4.C5 J21B.19 | length 99.3
  TopLayer w0.095: J21B.19@142.65,186.55 142.857,186.343 143.641,186.343 144.039,185.945 151.866,185.945 152.036,186.114 v2(152.1,186.05) ; v2(216.411,223.761) 216.426,223.761 IC4.C5@216.872,223.315
  SignalLayer1 w0.115: v2(152.1,186.05) 152.518,186.05 154.415,187.947 154.415,202.922 163.168,211.675 171.293,211.675 172.325,212.707 172.903,213.285 172.928,213.285 174.443,214.8 174.443,214.825 181.028,221.41 181.378,221.76 186.476,221.76 186.493,221.743 186.872,221.743 187.022,221.893 207.587,221.893 207.719,221.76 209.253,221.76 209.418,221.925 210.925,223.433 216.082,223.433 v2(216.411,223.761)
SFP_RX_TX_1.TD_P: IC4.D5 J21B.18 | length 99.4
  TopLayer w0.095: J21B.18@142.65,185.925 142.848,186.123 143.55,186.123 143.948,185.725 151.898,185.725 151.946,185.678 152.272,185.678 v2(152.375,185.575) ; v2(216.372,222.815) IC4.D5@216.872,222.315
  SignalLayer1 w0.115: v2(152.375,185.575) 153.616,186.816 154.65,187.85 154.65,202.825 163.265,211.44 171.39,211.44 172.491,212.541 173,213.05 173.025,213.05 174.678,214.703 174.678,214.728 181.125,221.175 181.475,221.525 186.379,221.525 186.396,221.507 186.97,221.507 187.12,221.657 207.49,221.657 207.622,221.525 209.35,221.525 209.515,221.69 211.022,223.198 215.989,223.198 v2(216.372,222.815)
SFP_RX_TX_2.RD_N: IC4.A10 J21C.12 | length 132.1
  TopLayer w0.095: J21C.12@141.844,166.788 142.588,166.788 142.878,167.078 143.725,167.078 143.9,167.078 144.074,167.078 cw(c144.074,166.903) 144.249,166.903 144.249,166.456 ccw(c144.423,166.456) 144.423,166.281 ccw(c144.423,166.456) 144.598,166.456 144.598,166.903 cw(c144.772,166.903) 144.772,167.078 144.947,167.078 145,167.078 147.059,167.078 v2@147.103,167.033 ; v2(221.375,225.875) 221.375,225.812 IC4.A10@221.872,225.315
  SignalLayer1 w0.115: v2@147.108,167.033 147.325,167.25 147.55,167.25 148.091,167.791 148.091,171.175 148.2,171.284 148.2,173.868 148.55,174.218 148.85,174.518 148.85,204.55 162.218,217.918 169.64,225.34 178.99,225.34 182.25,228.6 191.693,228.6 192.785,227.507 195.09,227.507 195.814,228.231 202.081,228.231 202.219,228.369 202.875,229.025 218.366,229.025 218.823,229.483 219.327,229.483 219.784,229.025 219.784,228.411 221.234,226.961 221.234,226.666 221.525,226.375 221.525,226.025 v2(221.375,225.875)
  other v2: 147.107,167.033
SFP_RX_TX_2.RD_P: IC4.B10 J21C.13 | length 132.3
  TopLayer w0.095: J21C.13@141.844,167.588 142.587,167.588 142.877,167.298 143.816,167.298 144.909,167.298 146.823,167.298 146.895,167.37 v2(147.075,167.55) ; v2(221.372,224.815) IC4.B10@221.872,224.315
  SignalLayer1 w0.115: v2(147.075,167.55) 147.518,167.55 147.856,167.889 147.856,171.272 147.965,171.381 147.965,173.965 148.615,174.615 148.615,204.647 169.543,225.575 178.893,225.575 182.015,228.697 182.153,228.835 191.79,228.835 192.882,227.742 193.677,227.742 193.684,227.75 195,227.75 195.716,228.466 201.984,228.466 202.778,229.26 218.269,229.26 218.726,229.718 219.424,229.718 220.019,229.122 220.019,228.508 221.469,227.058 221.469,226.763 221.76,226.472 221.76,225.203 v2(221.372,224.815)
SFP_RX_TX_2.TD_N: IC4.A6 J21C.19 | length 117.3
  TopLayer w0.095: J21C.19@142.7,172.275 142.877,172.098 148.498,172.098 148.844,172.444 149.456,172.444 v2(149.475,172.425) ; v2(217.372,225.815) IC4.A6@217.872,225.315
  SignalLayer1 w0.115: v2@149.435,172.465 v2(149.475,172.425) 149.525,172.375 150.225,172.375 150.757,172.908 150.757,173.237 150.94,173.419 150.94,191.59 151.078,191.728 152.74,193.39 152.74,205.047 163.028,215.335 169.553,215.335 176.118,221.9 178.109,221.9 181.276,225.068 187.626,225.068 187.901,225.343 188.599,225.343 188.874,225.068 194.25,225.068 194.564,224.753 206.112,224.753 206.501,225.143 207.997,225.143 ; 207.998,225.142 208.81,225.142 209.903,226.235 212.345,226.235 212.653,226.542 215.64,226.542 216.017,226.165 216.017,225.692 216.256,225.453 217.01,225.453 v2(217.372,225.815) v2@217.245,225.815
SFP_RX_TX_2.TD_P: IC4.B6 J21C.18 | length 117
  TopLayer w0.095: J21C.18@142.725,171.725 142.878,171.878 148.653,171.878 148.85,172.075 v2@149.121,172.075 ; v2(217.372,224.815) IC4.B6@217.872,224.315
  SignalLayer1 w0.115: v2@149.121,172.042 149.633,172.042 149.731,172.14 150.322,172.14 150.992,172.81 150.992,173.14 151.175,173.322 151.175,191.493 152.975,193.293 152.975,204.95 163.125,215.1 169.65,215.1 176.215,221.665 178.206,221.665 181.046,224.504 181.374,224.832 187.723,224.832 187.998,225.108 188.502,225.108 188.777,224.832 194.153,224.832 194.467,224.518 206.209,224.518 206.598,224.908 207.9,224.908 ; 207.901,224.907 208.907,224.907 210,226 212.443,226 212.75,226.307 215.543,226.307 215.782,226.068 215.782,225.594 216.158,225.218 216.968,225.218 v2(217.372,224.815)
  other v2: 149.121,172.071
SHIELDINHG_VIAS: 
SI5324_SCL: IC5.1 IC7.7 IC15.8 R190.1 | length 25.7
  TopLayer w0.125: IC5.1@152.025,208.225 152.25,208.45 154.675,208.45 156.75,210.525 156.75,212.375 ; IC7.7@155.125,212.375 156.75,212.375 ; R190.1@158.9,212.67 R190.1@158.82,212.75 ; IC15.8@171.856,212.551 171.856,211.906 171.6,211.65 169.275,211.65 168.925,212 161.2,212 160.45,212.75 R190.1@158.82,212.75 ; 156.75,212.375 157.75,212.375 158.125,212.75 R190.1@158.82,212.75
SI5324_SDA: IC5.3 IC7.6 IC15.7 R189.1 | length 27
  TopLayer w0.125: IC5.3@150.125,208.225 150.125,208.5 150.825,209.2 151.65,209.2 151.85,209.4 151.85,210.325 153.9,212.375 ; IC7.6@155.125,211.725 154.55,211.725 153.9,212.375 ; IC15.7@171.356,212.551 166.924,212.551 166.225,213.25 159.855,213.25 R189.1@159.825,213.22 158.883,214.162 154.987,214.162 153.9,213.075 153.9,212.375
TxD_2V5: IC4.M17 IC20.4 TP17.1 | length 184.5
  TopLayer w0.125: IC4.M17@228.872,214.315 v2(229.372,213.815)
  TopLayer w0.15: TP17.1@110.25,223.5 111.049,224.299 113.476,224.299 v1(114.636,223.139) IC20.4@115.94,223.139
  MidLayer2 w0.1: v1(114.636,223.139) 119.125,223.139 119.775,223.789 119.775,223.999 120.635,224.859 121.217,224.859 121.313,224.763 123.125,226.575 130.125,226.575 130.85,227.3 132.675,227.3 133.066,226.909 133.414,226.909 134.273,226.05 135.2,226.05 138.125,223.125 143.825,223.125 145.214,221.736 148.164,221.736 152.7,217.2 162.875,217.2 163.286,216.789 167.361,216.789 176.4,207.75 179.85,207.75 184.575,212.475 184.575,226.225 188.125,229.775 202.3,229.775 202.75,230.225 208.375,230.225 209.125,230.975 222.05,230.975 224.125,233.05 225.5,233.05 v1(226.675,234.225)
  SignalLayer1 w0.1: v1(226.675,234.225) 230.575,230.325 233.35,230.325 234.725,228.95 234.725,227.195 234.18,226.65 233.87,226.65 233.495,227.025 230.935,227.025 230.56,226.65 229.379,226.65 228.694,225.965 228.694,225.869 227.875,225.05 227.875,223.65 227.45,223.225 226.25,223.225 225.997,222.972 225.997,222.697 225.65,222.35 225.375,222.35 224.925,221.9 224.925,219 224.9,218.975 224.9,218.757 225.217,218.44 225.31,218.44 225.825,217.925 225.825,217.7 226.225,217.3 227.525,217.3 227.962,216.863 227.962,215.575 228.237,215.3 228.425,215.3 228.85,214.875 228.85,214.337 v2(229.372,213.815)
USB_D_R_N: D2.3 IC18.7 J23.2 | length 31.8
  TopLayer w0.135: J23.2@103.75,226.275 103.89,226.415 105.84,226.415 106.155,226.73 107.025,226.73 107.754,226.001 107.754,225.79 D2.3@107.822,225.723 ; D2.3@108.031,226.159 108.61,226.738 v2@109.28,226.738 ; IC18.7@126.615,226.708 126.615,228.52 v2(126.619,228.524)
  SignalLayer1 w0.15: v2(109.28,226.651) 109.41,226.781 110.119,226.781 113.478,230.14 114.795,230.14 115.475,229.46 120.75,229.46 121.25,229.46 cw(c121.25,229.26) 121.45,229.26 121.45,228.749 ccw(c121.65,228.749) 121.65,228.549 ccw(c121.65,228.749) 121.85,228.749 121.85,229.26 cw(c122.05,229.26) 122.05,229.46 122.49,229.46 cw(c122.49,228.47) 123.006,229.315 ccw(c123.605,229.961) 123.155,229.204 ccw(c123.605,229.961) 123.605,229.08 126.57,229.08 cw(c126.57,228.452) 127.014,228.896 127.17,228.74 cw(c126.639,228.209) 127.39,228.211 cw(c126.919,228.211) 127.252,227.878 127.246,227.872 cw(c126.98,228.137) 126.98,227.762 126.89,227.762 cw(c126.89,228.048) 126.688,227.846 126.562,227.972 cw(c126.791,228.201) 126.467,228.201 126.467,228.371 v2(126.619,228.524)
USB_D_R_P: D2.2 IC18.8 J23.3 | length 32.2
  TopLayer w0.135: J23.3@103.775,226.875 103.95,226.7 105.722,226.7 106.037,227.015 107.025,227.015 107.754,227.745 107.754,227.955 D2.2@107.822,228.023 107.822,227.818 108.606,227.034 109.045,227.034 v2(109.193,227.182) ; v2(126.06,228.524) 126.115,228.469 IC18.8@126.115,226.708
  SignalLayer1 w0.15: v2(109.193,227.182) 109.323,227.051 110.007,227.051 113.366,230.41 114.907,230.41 115.587,229.73 122.49,229.73 cw(c122.49,228.47) 123.313,229.424 ccw(c123.605,229.961) 123.49,229.361 ccw(c123.605,229.961) 123.493,229.36 ccw(c123.605,229.961) 123.605,229.35 126.617,229.35 cw(c126.617,228.565) 127.172,229.12 ; v2(126.06,228.524) 126.197,228.387 126.197,228.098 ccw(c126.543,228.098) 126.298,227.853 126.381,227.771 126.497,227.655 ; 126.497,227.654 ccw(c126.89,228.048) 126.89,227.492 126.98,227.492 ccw(c126.98,228.137) 127.437,227.681 127.443,227.687 ccw(c126.919,228.211) 127.66,228.209 ccw(c126.919,228.211) 127.66,228.211 ccw(c126.639,228.209) 127.361,228.93 ; 127.172,229.12 127.361,228.931
USB_TCK: IC17.9 IC18.12 R195.1 | length 9.8
  TopLayer w0.125: IC17.9@119.01,232.537 119.634,232.537 119.926,232.829 R195.1@120.396,232.829 ; R195.1@120.418,232.807 120.418,232.357 120.5,232.275 120.672,232.275 120.857,232.09 120.857,231.718 121.225,231.35 121.225,229.154 122.033,228.346 122.936,228.346 124.115,227.167 IC18.12@124.115,226.708
USB_TDI_DO: IC17.8 IC18.13 R196.1 | length 8.5
  TopLayer w0.125: IC17.8@119.01,232.137 119.996,232.137 R196.1@120.396,231.737 120.925,231.208 120.925,228.833 121.666,228.092 122.637,228.092 123.615,227.114 IC18.13@123.615,226.708
USB_TDO_DI: IC18.14 IC19.9 R197.1 | length 7.1
  TopLayer w0.2: IC19.9@117.105,227.965 117.86,227.965 118.397,227.428 120.425,227.428 120.904,226.949 121.628,226.949 R197.1@122.263,227.584 122.366,227.584 123.115,226.835 IC18.14@123.115,226.708
USB_TMS: IC18.15 IC19.8 R198.1 | length 6
  TopLayer w0.2: IC19.8@117.105,227.565 117.729,227.565 118.319,226.975 120.078,226.975 R198.1@121.031,226.022 121.045,226.008 IC18.15@122.415,226.008
VCCAUX: C55.2 C59.2 C98.2 C111.2 C117.2 C118.2 C119.2 C233.2 C235.2 IC4.H12 IC4.K12 IC4.M12 IC4.P12 IC4.R11 L26.2 | length 11.1
  TopLayer w0.125: IC4.R11@222.872,211.315 223.192,211.635 v2(223.286,211.635) ; IC4.P12@223.872,212.315 224.197,211.99 v2(224.384,211.99) ; IC4.M12@223.872,214.315 v2(224.372,213.815) ; IC4.K12@223.872,216.315 v2(224.372,216.815) ; IC4.H12@223.872,218.315 v2(224.372,218.815)
  TopLayer w0.508: v3(226.1,226.95) 226.7,227.55 226.95,227.55 ; C111.2@227.575,227.55 228.5,228.475 228.5,228.75
  BottomLayer w0.2: C98.2@222.854,211.328 222.885,211.328 223.192,211.635 v2(223.286,211.635) ; v2(224.372,213.815) 224.837,213.35 C119.2@225,213.35 ; v2(224.372,216.815) 224.887,216.3 C55.2@225.025,216.3 ; v2(224.372,218.815) 224.85,219.293 C117.2@224.85,219.4 ; v2(224.384,211.99) 224.69,211.99 C118.2@225.025,212.325
  BottomLayer w0.508: C59.2@222.75,200.65 223.036,200.936 v3(223.036,201.789)
  other v3: 226.525,227.975
VCCBRAM: C56.2 C99.2 C120.2 C121.2 C122.2 C149.2 IC4.J11 IC4.L11 IC4.N11 L13.2 | length 6.4
  TopLayer w0.125: v2(222.372,215.815) IC4.L11@222.872,215.315 ; v2(222.372,217.815) IC4.J11@222.872,217.315 ; IC4.N11@222.872,213.315 223.368,213.811 v2(223.368,213.843)
  TopLayer w0.5: C56.2@223.5,228.25 223.525,228.275 225.375,228.275 v3(225.4,228.3)
  BottomLayer w0.2: v2(222.372,215.815) 222.835,215.815 C122.2@222.9,215.75 ; v2(222.372,217.815) 222.785,217.815 C121.2@222.875,217.725 ; 223.025,213.975 C99.2@223.025,213.3 223.55,213.3
VREF_DDR3: C162.2 C163.2 C177.2 IC8.H1 IC8.M8 IC9.6 | length 30
  TopLayer w0.125: IC8.M8@200.367,210.646 IC8.M8@200.367,210.649
  TopLayer w0.2: v1(192.7,215.025) 192.825,214.9 C162.2@192.825,213.875 ; C162.2@192.875,213.8 IC8.H1@194.718,213.8 ; v2(197.025,213.85) 197.025,213.245 v2(199.21,211.06) 199.406,211.06 ; 199.406,211.06 199.728,211.06 199.956,211.06 IC8.M8@200.367,210.649 ; IC8.M8@200.367,210.646 200.369,210.647 IC8.M8@200.38,210.658
  TopLayer w0.3: v1(186.3,206.825) 186.925,207.45 186.925,211.95 190,215.025 v1(192.7,215.025)
  BottomLayer w0.18: 200.216,211.006 200.32,211.11 201.285,211.11 C163.2@201.45,211.275
  BottomLayer w0.2: C177.2@185.4,207.35 186.275,207.35 ; v1@186.275,206.85 186.275,207.35 ; IC9.6@187.225,207.35 186.275,207.35 ; v1(192.7,215.025) 194.074,215.025 194.075,215.024 195.001,215.024 196.175,213.85 v2(197.025,213.85) ; v2@199.264,211.006 200.216,211.006